# Allegro board fscvmotherboardv2.brd (continued)
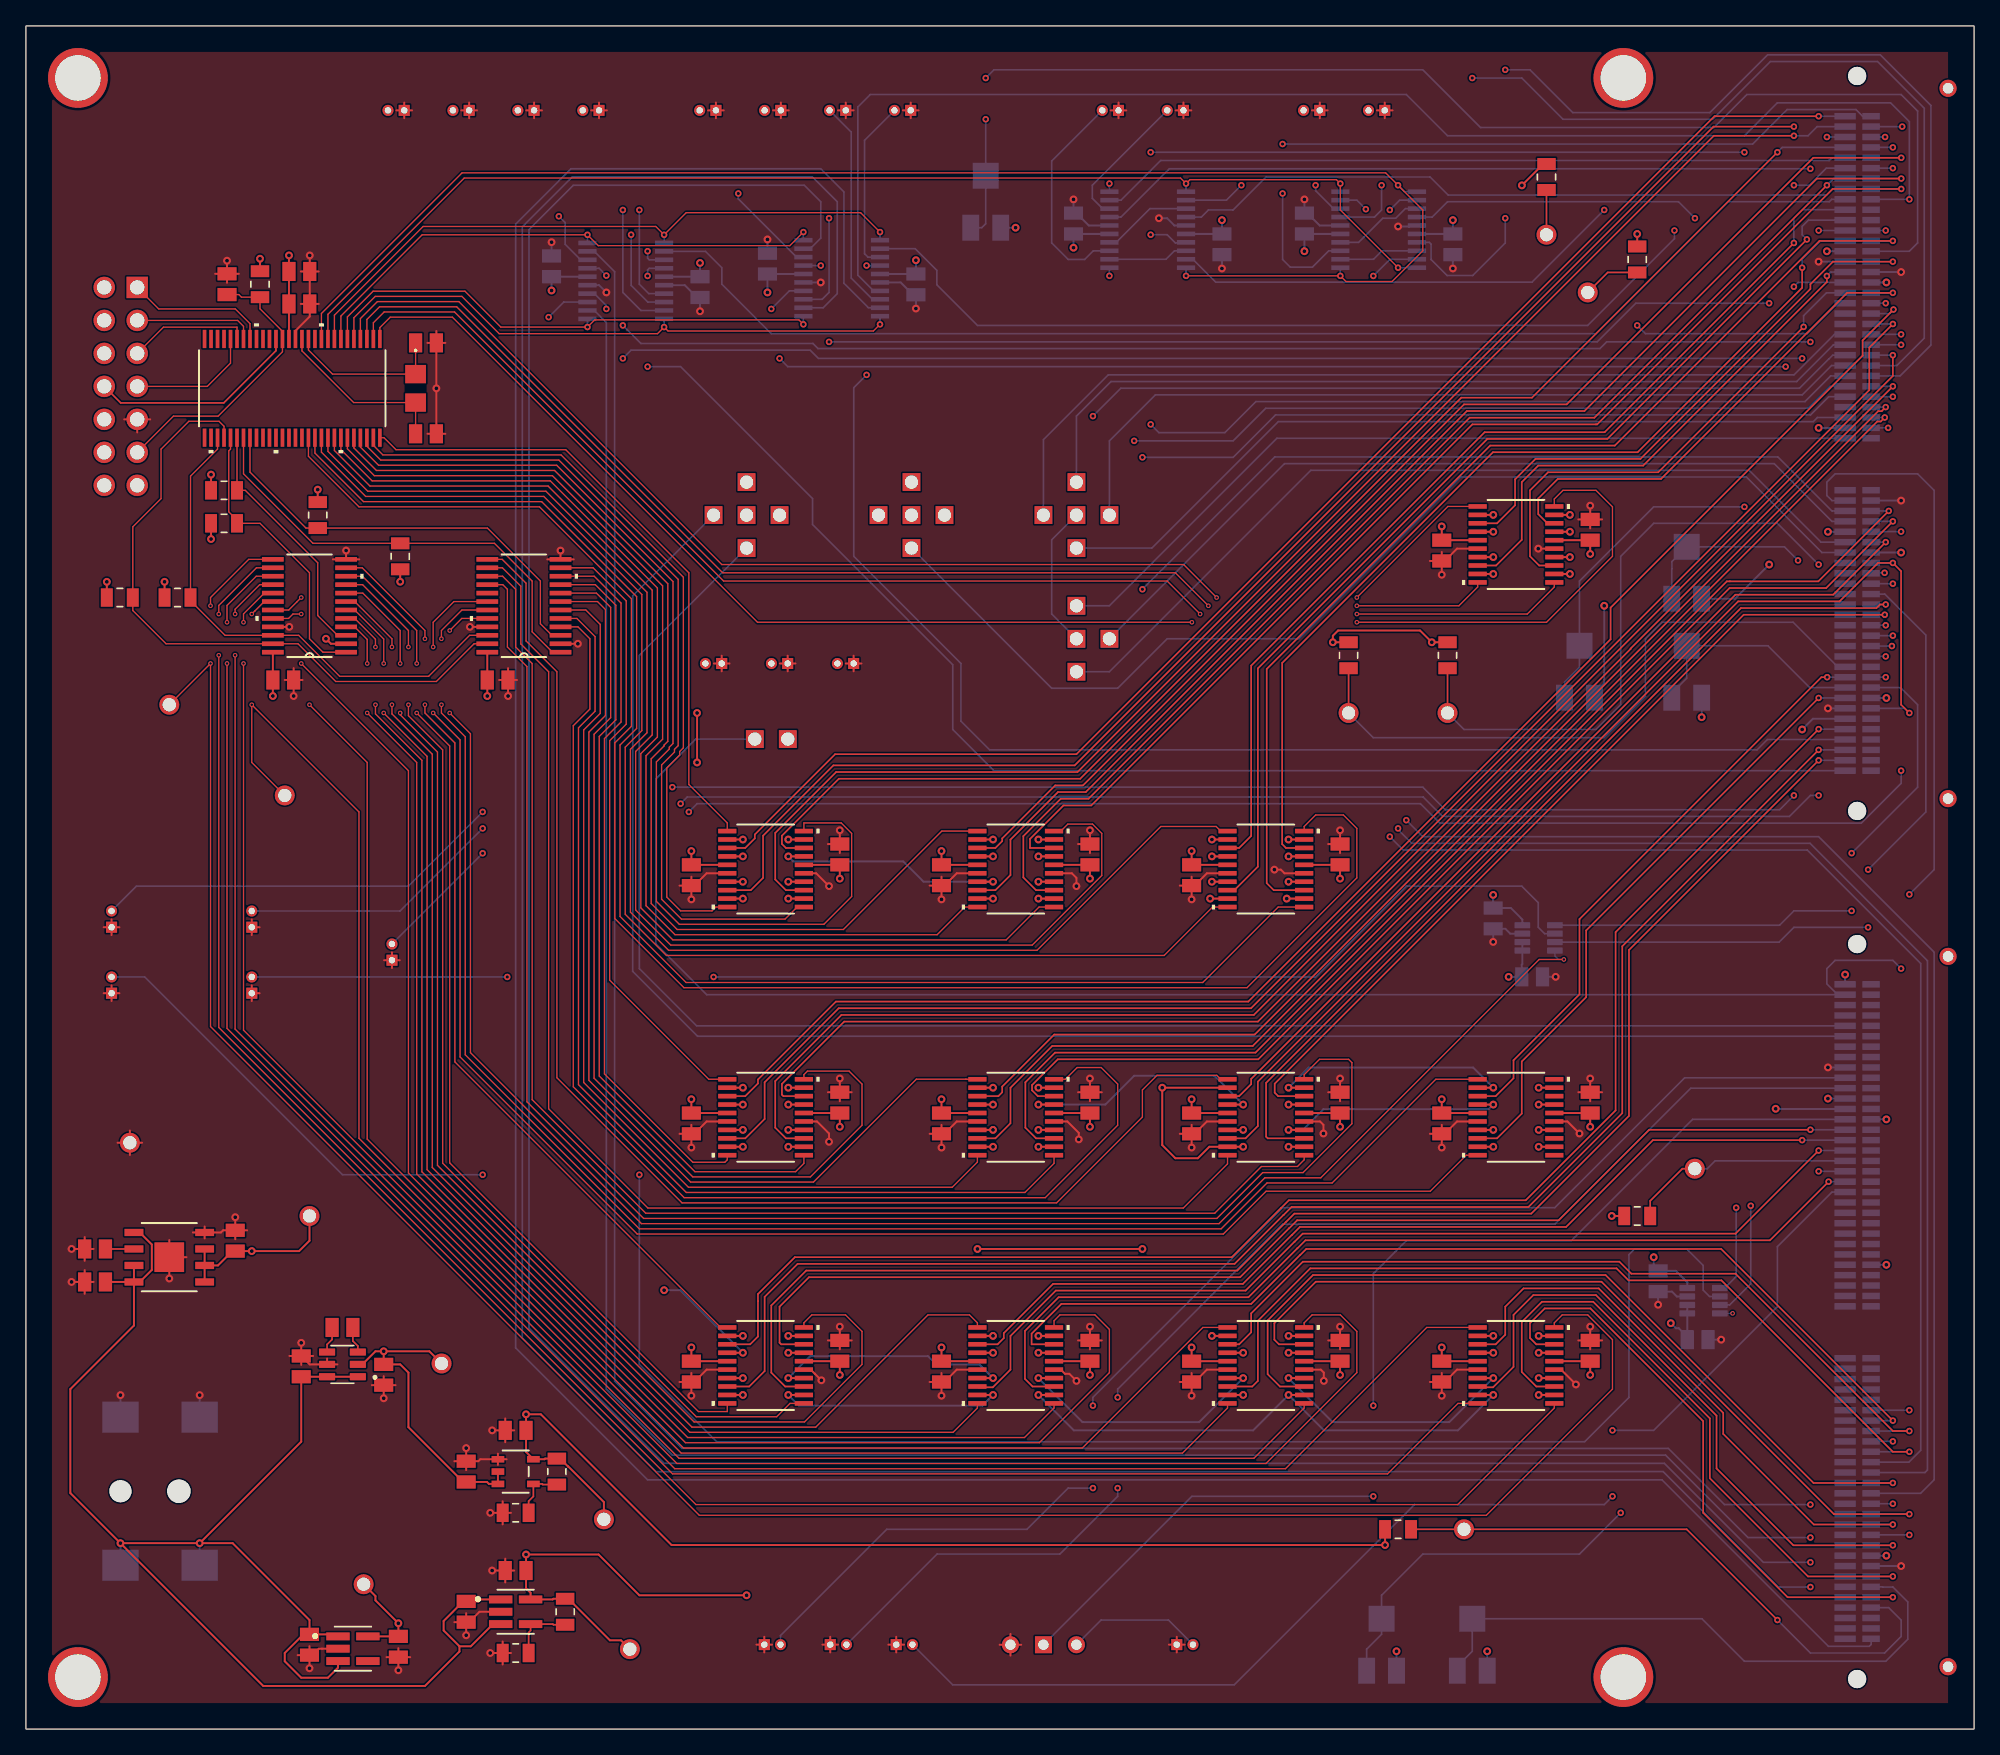
[diagram p0: board, top side]
## Routing (per net, layer and track width the routed paths; a pad name or vN(x,y) marks a point on that pad's centre or on a via; arc(x,y) is an arc through that point)
3.3V: length 202.2
  TOP w0.15: R7.2 v2(14.25,96.6) ; U2.2 U2.1 ; U2.2 U2.3 ; U2.2 14.78,35.7 15.89,36.81 C8.1 v2(17.39,36.81) 21.03,36.81 21.83,37.61 UNK3.3V.TP ; 19.01,82.93 C51.2 v2(19.01,79.55) ; v2(23.1,83.96) 23.48,83.58 U6.2 ; U1.15 C4.2 C3.2 v2(20.25,113.48) ; 18.02,112.27 v2(18.02,113.23) ; R6.2 v2(14.25,91.64) ; R4.2 v2(6.22,88.34) ; R5.2 v2(10.67,88.34) ; 35.52,82.93 C50.2 v2(35.52,79.55) ; R2.2 v2(28.81,88.35) ; R3.2 v2(22.47,95.45)
  POWER w0.15: v2(22.47,95.45) 28.81,89.09 v2(28.81,88.35) ; v2(22.47,95.45) 20.25,97.66 v2(20.25,113.48) 19.89,113.84 18.63,113.84 v2(18.02,113.23) ; v2(22.47,95.45) 15.41,95.45 v2(14.25,96.6) v2(14.25,91.64) 14.25,90.99 11.61,88.34 v2(10.67,88.34) v2(6.22,88.34) 3.42,91.16 3.42,105.87 J2.4 ; v2(28.81,88.35) 35.22,88.35 36.44,87.14 36.44,80.46 v2(35.52,79.55) ; v2(28.81,88.35) 28.81,87.14 25.64,83.96 v2(23.1,83.96) ; v2(28.81,88.35) 20.5,88.35 19.01,86.86 v2(19.01,79.55) 19.01,77.33 13.58,71.9 13.58,45.23 18.02,40.78 18.02,37.44 v2(17.39,36.81)
5V_UNREGULATED: length 129
  TOP w0.15: U7.3 35.96,8.08 34.25,6.37 33.38,6.37 ; v2(7.28,14.31) v2(13.38,14.31) ; v2(7.28,14.31) 3.42,18.17 3.42,26.18 8.31,31.07 U2.8 ; v2(7.28,14.31) 18.27,3.32 30.72,3.32 33.38,5.97 33.38,6.37 ; v2(13.38,14.31) 21.19,22.13 C12.1 U5.6 U5.1 ; v2(13.38,14.31) 15.91,14.31 21.83,8.4 C9.1 ; U2.8 C6.1 ; U2.8 U2.7 ; U2.8 8.76,34.43 9.69,35.36 9.69,37.31 8.76,38.24 U2.5 ; U3.1 23.87,7.29 C9.1 ; C9.1 21.36,7.29 19.92,5.86 19.92,5.22 21.19,3.95 23.25,3.95 24.02,4.73 U3.3 ; 33.38,6.37 32.16,7.59 32.16,8.32 33.67,9.83 C14.1 34.83,9.83 34.98,9.98 U7.1
  BOTTOM w0.15: J3.1A v2(13.38,14.31) ; J3.1B v2(7.28,14.31)
+1.65V: length 648.5
  TOP w0.15: U21.14 v2(97.22,46.14) ; U13.17 v2(77.96,67.2) ; U13.14 v2(77.96,65.25) ; U16.4 v2(55.2,67.2) ; U19.17 v2(118.88,92.2) ; U15.4 v2(55.2,48.09) ; U21.7 v2(93.72,46.14) ; U19.4 v2(112.98,92.2) ; U24.4 v2(74.46,28.98) ; U17.17 v2(58.7,28.98) ; U16.17 v2(58.7,67.2) ; UNK+1.65V.TP 45.82,6.83 44.96,6.83 41.77,10.03 R10.2 40.6,10.03 40.55,9.98 U7.5 38.86,10.49 38.5,10.84 C15.1 v2(38.5,13.44) 44.09,13.44 47.23,10.3 v2(55.48,10.3) ; U13.7 v2(74.46,65.25) ; U14.4 v2(74.46,48.09) ; U16.7 v2(55.2,65.25) ; U11.17 v2(97.22,28.98) ; U21.17 v2(97.22,48.09) ; U9.17 v2(116.48,28.98) ; U12.7 v2(91.32,65.25) ; U24.7 v2(74.46,27.03) ; U15.7 v2(55.2,46.14) ; U16.14 v2(58.7,65.25) ; U15.14 v2(58.7,46.14) ; U17.7 v2(55.2,27.03) ; U9.7 v2(112.98,27.03) ; U21.4 v2(93.72,48.09) ; U12.4 v2(91.32,67.2) ; U17.4 v2(55.2,28.98) ; U11.4 v2(93.72,28.98) ; U24.17 v2(77.96,28.98) ; U9.14 v2(116.48,27.03) ; U19.14 v2(118.88,90.25) ; U14.17 v2(77.96,48.09) ; U14.7 v2(74.46,46.14) ; U19.7 v2(112.98,90.25) ; U11.7 v2(93.72,27.03) ; U14.14 v2(77.96,46.14) ; U10.4 v2(112.98,48.09) ; U15.17 v2(58.7,48.09) ; U17.14 v2(58.7,27.03) ; U9.4 v2(112.98,28.98) ; U13.4 v2(74.46,67.2) ; U10.7 v2(112.98,46.14) ; U12.17 v2(97.22,67.2) ; U24.14 v2(77.96,27.03) ; U12.14 v2(97.22,65.25) ; U11.14 v2(97.22,27.03)
  POWER w0.15: v2(134.73,47.77) 134.73,31.76 128.51,25.54 121.53,25.54 118.98,23 110.09,23 106.28,19.19 106.28,16.65 99.94,10.3 v2(55.48,10.3) ; v2(112.98,48.09) v2(112.98,46.14) 110.73,43.89 110.73,38.88 112,37.61 125.97,37.61 126.48,37.1 126.48,36.25 125.29,35.07 111.36,35.07 110.73,34.43 110.73,31.68 112.73,29.68 112.94,29.68 112.98,29.64 v2(112.98,28.98) v2(116.48,28.98) v2(116.48,27.03) v2(112.98,27.03) ; v2(49.14,33.79) 49.14,44.59 54.22,49.67 54.22,64.91 54.55,65.25 v2(55.2,65.25) v2(58.7,65.25) v2(58.7,67.2) v2(55.2,67.2) 53.58,68.82 53.58,69.99 58.66,75.07 1.65V.TP ; v2(74.46,65.25) v2(77.96,65.25) v2(77.96,67.2) v2(74.46,67.2) 73.44,66.18 70.09,66.18 69.45,66.81 69.45,68.09 72,70.62 87.89,70.62 v2(91.32,67.2) v2(97.22,67.2) 97.22,65.75 v2(97.22,65.25) v2(91.32,65.25) 89.4,65.25 88.5,64.35 88.5,63.01 89.14,62.37 97.39,62.37 98.66,63.64 98.66,64.91 101.2,67.45 105.65,67.45 110.73,72.53 110.73,88.41 107.56,91.58 107.56,92.7 108.97,94.12 111.06,94.12 v2(112.98,92.2) ; v2(74.46,27.03) v2(77.96,27.03) v2(77.96,28.98) v2(74.46,28.98) ; v2(58.7,48.09) 60.89,48.09 61.9,49.1 71.5,49.1 v2(74.46,46.14) v2(77.96,46.14) v2(77.96,48.09) v2(74.46,48.09) ; v2(58.7,48.09) v2(58.7,46.14) ; v2(58.7,48.09) v2(55.2,48.09) v2(55.2,46.14) ; v2(118.88,90.25) v2(118.88,92.2) v2(112.98,92.2) ; v2(38.5,13.44) 38.5,21.57 37.07,23 37.07,25.54 38.56,27.03 v2(55.2,27.03) v2(58.7,27.03) v2(58.7,28.98) v2(55.2,28.98) ; v2(112.98,92.2) v2(112.98,90.25) ; v2(97.22,48.09) 97.22,46.64 v2(97.22,46.14) v2(93.72,46.14) v2(93.72,48.09) ; v2(97.22,28.98) v2(93.72,28.98) v2(93.72,27.03) v2(97.22,27.03)
  BOTTOM w0.15: J1.133 134.74,47.75 v2(134.73,47.77) ; v2(97.22,46.14) 98.31,46.14 99.9,47.73 112.63,47.73 v2(112.98,48.09) ; v2(112.98,27.03) 109.59,23.64 100.61,23.64 v2(97.22,27.03) ; v2(74.46,27.03) 73.41,28.08 70.09,28.08 69.45,28.72 60.39,28.72 v2(58.7,27.03) ; v2(77.96,48.09) 83.11,48.09 85.33,50.31 91.51,50.31 v2(93.72,48.09) ; v2(55.2,28.98) 50.38,33.79 v2(49.14,33.79) ; v2(93.72,27.03) 90.33,23.64 81.35,23.64 v2(77.96,27.03) ; v2(74.46,65.25) 69.12,65.25 67.55,66.81 59.08,66.81 v2(58.7,67.2)
+5V: length 594.6
  TOP w0.15: U3.5 C10.1 v2(28.67,8.15) 26.91,9.91 26.91,10.24 UNK+5V.TP ; U13.16 C26.1 v2(81.92,65.49) ; U11.16 C22.1 v2(101.19,27.27) ; U9.16 C18.1 v2(120.44,27.27) ; U17.16 C34.1 v2(62.66,27.27) ; v2(120.44,46.38) C20.1 U10.16 ; U14.16 C28.1 v2(81.92,46.38) ; v2(62.66,65.49) C32.1 U16.16 ; v2(62.66,46.38) C30.1 U15.16 ; v2(120.44,90.49) C36.1 U19.16 ; v2(101.19,65.49) C24.1 U12.16 ; v2(101.19,46.38) C42.1 U21.16 ; U24.16 C48.1 v2(81.92,27.27)
  POWER w0.15: v2(120.44,90.49) 122.16,92.21 122.16,103.91 v2(109.87,116.2) 108.45,117.62 102.28,117.62 99.74,115.08 93.21,115.08 v2(92.09,116.2) 89.47,113.57 83.02,113.57 81.92,114.68 61.14,114.68 v2(57.09,110.63) 56.12,110.63 52.94,113.81 49.39,113.81 48.37,112.78 42.47,112.78 v2(40.47,110.78) 41.52,109.74 41.52,97.93 45.96,93.49 45.96,78.56 46.91,77.61 ; 114.11,58.48 114.17,58.43 v2(114.17,57.93) 114.17,52.66 v2(120.44,46.38) 122.28,46.38 127.81,40.85 127.81,32.41 v2(126.65,31.26) 125.34,31.26 121.35,27.27 v2(120.44,27.27) 120.44,26.37 118.35,24.27 106.92,24.27 103.92,27.27 v2(101.19,27.27) ; 46.91,77.61 59.93,77.61 61.2,76.34 61.2,66.96 v2(62.66,65.49) ; 46.91,77.61 46.28,76.98 39.61,76.98 23.73,61.1 23.73,19.83 28.67,14.89 v2(28.67,8.15) 43.54,8.15 v2(62.66,27.27) ; v2(81.92,27.27) 84.06,29.4 84.06,44.24 v2(81.92,46.38) 84,48.46 84,63.41 v2(81.92,65.49) ; v2(81.92,27.27) 81.92,25.95 79.62,23.64 66.3,23.64 v2(62.66,27.27) ; v2(81.92,27.27) 83.6,27.27 89.78,21.1 99.3,21.1 101.19,22.98 v2(101.19,27.27) ; v2(62.66,27.27) 65.01,29.61 65.01,44.03 v2(62.66,46.38) ; v2(101.19,65.49) 101.89,65.49 103.11,64.28 103.11,48.3 v2(101.19,46.38) 103.75,43.82 103.75,29.83 v2(101.19,27.27)
  BOTTOM w0.15: U22.16 C44.1 v2(92.09,116.2) ; 127.92,30.21 U26.1 U26.2 ; 127.92,30.21 127.27,30.86 127.04,30.86 v2(126.65,31.26) ; 127.92,30.21 C54.1 ; v2(40.47,110.78) C38.1 U20.16 ; v2(57.09,110.63) C40.1 U18.16 ; U23.16 C46.1 v2(109.87,116.2) ; v2(114.17,57.93) C52.1 115.17,58.86 115.22,58.91 U25.1 U25.2
-1.65V: length 1000.9
  TOP w0.15: U15.19 v2(58.7,49.39) ; U11.2 v2(91.32,30.28) ; U19.19 v2(118.88,93.5) ; v2(115.19,118.88) 116.83,120.52 R18.2 ; U9.9 v2(112.98,25.73) ; U15.9 v2(55.2,44.84) ; U9.19 v2(116.48,30.28) ; U11.19 v2(97.22,30.28) ; U12.19 v2(97.22,68.5) ; R16.2 v2(104.65,14.17) 49.71,14.17 39.64,24.24 v2(38.5,24.24) C16.1 38.5,21.34 U8.5 39.92,20.78 39.97,20.83 R12.2 41.13,20.83 41.73,20.22 41.75,20.22 44.5,17.48 UNK-1.65V.TP ; U15.2 v2(55.2,49.39) ; U11.9 v2(93.72,25.73) ; U17.9 v2(55.2,25.73) ; R17.2 v2(100.63,83.69) 100.63,84.19 101.03,84.59 107.34,84.59 v2(108.25,83.69) R19.2 ; U14.9 v2(74.46,44.84) ; U16.19 v2(58.7,68.5) ; U21.19 v2(97.22,49.39) ; U17.12 v2(58.7,25.73) ; U16.12 v2(58.7,63.95) ; R15.2 v2(124.06,115.13) ; U21.2 v2(87.49,49.39) 87.49,44.97 88.5,43.96 90.23,43.96 91.11,44.84 U21.9 v2(93.72,44.84) ; U15.12 v2(58.7,44.84) ; U16.2 v2(55.2,68.5) ; R14.2 v2(122.11,39.51) ; U13.19 v2(77.96,68.5) ; U24.2 v2(74.46,30.28) ; U19.2 v2(112.98,93.5) ; U12.12 v2(97.08,63.95) ; U24.12 v2(77.96,25.73) ; U21.12 v2(97.22,44.84) ; U14.19 v2(77.96,49.39) ; U12.2 v2(91.32,68.5) ; U19.9 v2(112.98,88.95) ; U12.9 v2(91.18,63.95) ; U24.9 v2(74.46,25.73) ; U17.2 v2(55.2,30.28) ; U13.9 v2(74.46,63.95) ; U14.12 v2(77.96,44.84) ; U16.9 v2(55.2,63.95) ; U17.19 v2(58.7,30.28) ; U11.12 v2(97.22,25.73) ; U10.9 v2(112.98,44.84) ; U10.2 v2(112.98,49.39) ; U14.2 v2(74.46,49.39) ; U19.12 v2(118.88,88.95) ; U9.12 v2(116.48,25.73) ; U13.2 v2(74.46,68.5) ; U9.2 v2(112.98,30.28) ; U24.19 v2(77.96,30.28) ; U13.12 v2(77.96,63.95)
  POWER w0.15: v2(112.52,5.99) 114.04,5.99 121.53,13.48 142.62,13.48 142.75,13.35 v2(143.25,13.35) ; v2(112.52,5.99) v2(105.53,5.99) 105.53,13.29 v2(104.65,14.17) ; v2(112.52,5.99) 120.64,14.11 132.32,14.11 143.25,25.04 v2(143.25,35.75) v2(143.25,46.95) 141.65,48.55 v2(138.75,48.55) 140.07,49.88 v2(140.07,58.1) ; v2(122.11,39.51) 114.54,39.51 112.98,41.07 112.98,44.24 ; v2(58.7,44.84) v2(55.2,44.84) 54.22,45.83 54.22,48.4 v2(55.2,49.39) ; v2(55.2,49.39) v2(58.7,49.39) ; v2(55.2,49.39) 55.2,50.02 ; v2(55.2,68.5) v2(58.7,68.5) 59.93,67.27 59.93,65.18 v2(58.7,63.95) ; 55.2,50.02 56.76,51.58 72.28,51.58 v2(74.46,49.39) v2(77.96,49.39) 79.62,47.73 79.62,46.5 v2(77.96,44.84) v2(74.46,44.84) ; 55.2,50.02 v2(55.2,63.95) v2(58.7,63.95) ; v2(116.48,30.28) 117.08,29.67 117.08,26.33 v2(116.48,25.73) v2(112.98,25.73) ; v2(116.48,30.28) 120.63,34.43 125.97,34.43 127.2,35.67 127.2,39.55 124.7,42.05 115.17,42.05 112.98,44.24 ; v2(116.48,30.28) v2(112.98,30.28) ; v2(143.25,79.4) 140.4,76.55 137.19,76.55 v2(136.76,76.98) 136.76,71.26 136.13,70.62 131.69,70.62 129.03,73.29 v2(129.03,77.92) ; v2(108.25,83.69) 106.92,85.02 106.92,93.3 109.01,95.39 111.09,95.39 v2(112.98,93.5) 114.07,94.59 117.79,94.59 v2(118.88,93.5) 119.53,92.85 119.53,89.6 v2(118.88,88.95) ; v2(118.88,88.95) 119.24,88.59 119.43,88.59 v2(121.53,86.5) 129.03,79 v2(129.03,77.92) ; v2(118.88,88.95) v2(112.98,88.95) ; v2(134.22,89.68) 134.22,90.31 135.5,91.58 138.13,91.58 v2(138.75,92.2) ; v2(134.22,89.68) 134.22,83.12 v2(129.03,77.92) ; v2(134.22,89.68) 132.95,88.41 130.41,88.41 127.24,91.58 127.24,101.11 115.19,113.16 115.19,115.87 ; v2(144.38,90.6) 140.92,90.6 139.32,92.2 v2(138.75,92.2) ; 115.19,115.87 v2(115.19,118.88) 118.36,118.88 122.11,115.13 v2(124.06,115.13) ; 115.19,115.87 114.39,115.08 113.27,115.08 110.09,118.25 101.84,118.25 99.3,115.71 96.12,115.71 94.86,116.98 89.78,116.98 87.23,114.44 85.97,114.44 84.79,115.62 v2(76.2,115.62) ; v2(93.72,44.84) v2(97.22,44.84) 98.66,46.29 98.66,47.94 v2(97.22,49.39) ; v2(97.22,68.5) v2(91.32,68.5) 91.32,73.53 87.87,76.98 73.9,76.98 68.85,71.93 68.85,64.17 70.02,63.01 71.99,63.01 72.94,63.95 v2(74.46,63.95) ; v2(97.22,68.5) 98.03,67.68 98.03,64.91 v2(97.08,63.95) v2(91.18,63.95) ; v2(97.22,68.5) 97.22,80.28 v2(100.63,83.69) ; v2(138.75,92.2) 131.7,92.2 129.78,94.12 129.78,111.27 131.5,112.99 135.04,112.99 136.63,111.4 v2(143.25,111.4) 140.85,113.8 v2(138.67,113.8) ; v2(138.75,92.2) 138.03,92.92 v2(138.03,100.2) ; v2(58.7,63.95) 66.6,63.95 68.82,61.74 72.25,61.74 v2(74.46,63.95) ; v2(74.46,63.95) v2(77.96,63.95) 78.98,64.97 78.98,67.48 78.35,68.11 ; 112.98,44.24 v2(112.98,44.84) 114.54,46.4 114.54,48.4 113.55,49.39 v2(112.98,49.39) ; v2(93.72,25.73) v2(97.22,25.73) 98.66,27.17 98.66,28.83 v2(97.22,30.28) v2(91.32,30.28) ; 78.35,68.11 85.31,68.11 86.6,66.81 86.6,50.28 v2(87.49,49.39) ; 78.35,68.11 v2(77.96,68.5) v2(74.46,68.5) ; v2(74.46,30.28) v2(77.96,30.28) 78.98,29.25 78.98,26.75 v2(77.96,25.73) v2(74.46,25.73) ; v2(38.5,24.24) 39.64,24.24 40.28,23.6 53.08,23.6 v2(55.2,25.73) v2(58.7,25.73) 59.93,26.96 59.93,29.04 v2(58.7,30.28) v2(55.2,30.28)
  BOTTOM w0.15: v2(121.53,86.5) 121.53,80.53 120.77,79.77 VR1.3 ; v2(74.46,25.73) 73.64,24.91 59.52,24.91 v2(58.7,25.73) ; VR3.3 v2(129.03,77.92) ; v2(136.76,76.98) 137.59,77.8 J1.55 ; J1.77 v2(143.25,111.4) ; J1.14 v2(138.67,113.8) ; VR6.3 131.59,87.04 v2(134.22,89.68) ; J1.194 v2(143.25,46.95) ; J1.113 v2(143.25,79.4) ; v2(112.98,25.73) 110.26,23 99.94,23 v2(97.22,25.73) 94.49,23 80.68,23 v2(77.96,25.73) ; J1.132 v2(138.75,48.55) ; v2(97.22,49.39) 98.77,50.94 111.43,50.94 v2(112.98,49.39) ; J1.208 v2(143.25,35.75) ; J1.31 v2(138.03,100.2) ; VR5.3 v2(76.2,115.62) ; J1.37 v2(138.75,92.2) ; J1.121 v2(140.07,58.1) ; J1.232 v2(143.25,13.35) ; 112.52,4.49 v2(112.52,5.99) ; J1.99 v2(144.38,90.6) ; VR4.3 v2(105.53,5.99)
-5V: length 560.7
  TOP w0.15: U10.5 C21.1 v2(109.02,48.5) ; v2(89.75,29.39) C23.1 U11.5 ; UNK-5V.TP 31.06,29.09 v2(27.55,29.09) ; U19.5 C37.1 v2(109.02,92.61) ; v2(27.55,29.09) 26.91,29.09 25.9,28.08 U5.2 ; v2(27.55,29.09) C11.1 28.81,28.08 29.45,27.45 29.45,23.25 33.67,19.03 C17.1 35.5,19.03 35.65,18.88 U8.3 U8.2 ; U12.5 C25.1 v2(89.75,67.61) ; v2(89.75,48.5) C43.1 U21.5 ; v2(70.5,29.39) C49.1 U24.5 ; U15.5 C31.1 v2(51.23,48.5) ; U9.5 C19.1 v2(109.02,29.39) ; v2(51.23,67.61) C33.1 U16.5 ; v2(51.23,29.39) C35.1 U17.5 ; U13.5 C27.1 v2(70.5,67.61) ; v2(70.5,48.5) C29.1 U14.5 ; v2(51.67,78.25) v2(51.67,74.44) ; v2(85.97,36.97) v2(73.27,36.97)
  POWER w0.15: v2(51.67,78.25) 51.67,78.91 50.41,80.18 50.41,111.91 51.4,112.9 v2(51.9,112.9) 51.9,110.41 58.02,104.28 61.84,104.28 63.1,105.55 63.1,111.91 65,113.81 67.83,113.81 v2(68.53,113.11) 69.49,114.08 v2(80.66,114.08) 81.52,113.22 81.52,111.27 82.79,110 94.63,110 v2(98.44,113.81) ; v2(70.5,48.5) 68.28,48.5 66.28,46.5 ; v2(51.67,74.44) 51.67,68.05 v2(51.23,67.61) 53.58,65.27 53.58,50.84 v2(51.23,48.5) 30.18,48.5 27.55,45.86 v2(27.55,29.09) 28.44,29.99 50.64,29.99 v2(51.23,29.39) 51.23,32.09 60.53,41.38 60.53,45.83 62.47,47.77 65.01,47.77 66.28,46.5 ; 66.28,46.5 66.28,43.96 v2(73.27,36.97) 73.27,32.16 v2(70.5,29.39) ; v2(109.02,48.5) 105.65,51.86 105.65,66.18 105.02,66.81 101.42,66.81 99.94,65.33 99.94,58.68 v2(89.75,48.5) ; v2(109.02,48.5) 108.29,48.5 105.65,45.86 105.65,32.75 v2(109.02,29.39) 109.02,34.62 110.73,36.34 v2(125.34,36.34) ; v2(109.02,48.5) 109.02,60.28 v2(112.97,64.24) 111.36,65.84 111.36,90.26 v2(109.02,92.61) ; v2(89.75,48.5) 87.87,50.38 87.87,65.73 v2(89.75,67.61) 88.66,68.71 78.6,68.71 78.21,69.1 71.98,69.1 v2(70.5,67.61) ; v2(89.75,48.5) 88.5,47.25 88.5,39.51 v2(85.97,36.97) 85.97,33.18 v2(89.75,29.39)
  BOTTOM w0.15: U20.5 C39.1 v2(51.9,112.9) ; U18.5 C41.1 v2(68.53,113.11) ; v2(125.34,36.34) 125.34,35.44 125.48,35.29 C55.2 127.04,35.29 127.92,34.4 U26.4 ; v2(80.66,114.08) C45.1 U22.5 ; U23.5 C47.1 v2(98.44,113.81) ; v2(112.97,64.24) C53.2 114.34,63.23 115.22,62.34 U25.4
GND: length 426.7
  TOP w0.15: 88.84,45.84 C43.2 ; C43.2 89.98,45.84 90.93,46.79 U21.6 ; C43.2 89.75,46.53 ; C43.2 v2(89.75,44.78) ; J22.2 89.21,6.5 ; J22.2 88.01,6.5 ; J22.2 88.61,5.9 ; J22.2 88.61,7.1 ; C49.2 70.72,26.73 71.67,27.68 U24.6 ; C49.2 70.5,27.41 ; C49.2 69.58,26.73 ; C49.2 v2(70.5,25.67) ; C24.2 v2(101.19,69.21) ; C24.2 101.19,67.46 ; C24.2 100.27,68.15 ; GND.TP 8,46.09 ; GND.TP 8,44.21 ; GND.TP 8.94,45.15 ; GND.TP 7.06,45.15 ; v2(96.12,66.18) 96.63,66.18 96.91,65.9 U12.15 ; U2.4 15.01,38.24 15.18,38.41 16.11,38.41 ; U2.4 13.76,37.78 ; U2.4 12.85,38.24 ; U2.4 13.76,38.7 ; v2(61.84,64.91) 60.84,65.9 U16.15 ; 36.91,11.29 C15.2 ; C15.2 36.91,13.12 ; C15.2 37.59,12.21 ; C15.2 v2(35.89,12.21) ; 63.73,81.45 J26.2 ; J26.2 63.73,82.66 ; J26.2 64.33,82.06 ; J26.2 63.13,82.06 ; C48.2 82.84,29.93 ; C48.2 81.92,29.24 ; C48.2 81.01,29.93 ; C48.2 v2(81.92,30.99) ; 15.48,111.38 C5.1 ; C5.1 14.57,112.06 ; C5.1 16.39,112.06 ; C5.1 v2(15.48,113.08) ; 67.01,5.9 J24.2 ; J24.2 66.41,6.5 ; J24.2 67.61,6.5 ; J24.2 67.01,7.1 ; C32.2 v2(62.66,69.21) ; C32.2 61.75,68.15 ; C32.2 62.66,67.46 ; C3.1 22.54,112.25 ; C3.1 v2(21.85,113.48) ; C3.1 21.16,112.25 ; C3.1 C4.1 ; R11.1 v2(35.75,5.86) ; R11.1 37.34,5.86 ; R11.1 36.7,4.97 ; R11.1 36.7,6.74 ; 7.56,100.86 J2.9 ; J2.9 9.57,100.86 ; J2.9 8.56,99.85 ; U19.15 v2(116.44,90.9) ; 33.89,20.63 v2(33.89,21.64) ; 33.89,20.63 33.89,19.94 ; 33.89,20.63 34.83,20.63 34.98,20.78 U8.1 ; 33.89,20.63 32.98,20.63 ; 4.52,33.52 C6.2 ; C6.2 4.52,35.34 ; C6.2 v2(3.51,34.43) ; C6.2 5.21,34.43 ; C34.2 v2(62.66,30.99) ; C34.2 61.75,29.93 ; C34.2 63.58,29.93 ; C34.2 62.66,29.24 ; U11.6 90.93,27.68 89.98,26.73 C23.2 ; C19.2 109.02,27.41 ; C19.2 109.24,26.73 110.19,27.68 U9.6 ; C19.2 v2(109.02,25.67) ; C19.2 108.1,26.73 ; v2(81.07,45.41) 81.07,45.91 80.19,46.79 U14.15 ; U5.5 23.19,28.53 ; U5.5 21.84,28.08 C12.2 ; U5.5 23.98,28.08 ; U4.2 v2(42.5,83.58) ; C33.2 51.46,64.95 52.41,65.9 U16.6 ; C33.2 v2(51.23,63.89) ; C33.2 51.23,65.64 ; C33.2 50.32,64.95 ; U13.6 71.67,65.9 70.72,64.95 C27.2 ; U6.12 v2(24.65,90.75) ; U6.12 23.63,90.08 ; U6.12 25.67,90.08 ; 119.53,49.04 C20.2 ; C20.2 120.44,48.35 ; C20.2 121.36,49.04 ; C20.2 v2(120.44,50.1) ; C37.2 v2(109.02,88.89) ; C37.2 109.02,90.64 ; C37.2 109.24,89.95 110.19,90.9 U19.6 ; C37.2 108.1,89.95 ; 74.97,6.49 SW1.3 ; SW1.3 75.81,7.32 ; SW1.3 75.81,5.66 ; SW1.3 76.64,6.49 ; 33.52,124.65 J12.2 ; J12.2 34.73,124.65 ; J12.2 34.12,125.25 ; J12.2 34.12,124.05 ; J11.2 17.39,57.27 ; J11.2 17.39,56.06 ; J11.2 17.99,56.67 ; C12.2 22.11,28.73 ; C12.2 20.28,28.73 ; C12.2 21.19,28.04 ; C12.2 v2(21.19,29.74) ; 69.58,45.84 C29.2 ; C29.2 70.5,46.53 ; C29.2 v2(70.5,44.78) ; C29.2 70.72,45.84 71.67,46.79 U14.6 ; J17.2 53.73,124.65 ; J17.2 52.52,124.65 ; J17.2 53.12,124.05 ; J17.2 53.12,125.25 ; 62.52,124.65 J9.2 ; J9.2 63.12,124.05 ; J9.2 63.12,125.25 ; J9.2 63.73,124.65 ; C42.2 v2(101.19,50.1) ; C42.2 101.19,48.35 ; C42.2 100.27,49.04 ; J4.2 44.12,125.25 ; J4.2 43.52,124.65 ; J4.2 44.12,124.05 ; J4.2 44.73,124.65 ; C21.2 109.02,46.53 ; C21.2 108.1,45.84 ; C21.2 v2(109.02,44.78) ; C21.2 109.24,45.84 110.19,46.79 U10.6 ; C28.2 v2(81.92,50.1) ; C28.2 82.84,49.04 ; C28.2 81.01,49.04 ; C28.2 81.92,48.35 ; U4.21 v2(34.18,84.88) ; v2(119.62,45.86) 118.69,46.79 U10.15 ; 36.91,22.09 C16.2 ; C16.2 36.91,23.91 ; C16.2 v2(35.89,23) ; C16.2 37.59,23 ; 20.61,80.79 v2(20.61,79.55) ; 20.61,80.79 21.3,80.79 ; 20.61,80.79 19.92,80.79 ; 20.61,80.79 20.61,81.7 ; U21.15 99.64,46.79 99.9,46.53 v2(99.9,45.86) ; 21.16,109.75 C4.1 ; C4.1 21.85,108.77 20.75,107.67 U1.14 ; C4.1 22.54,109.75 ; R13.1 v2(35.75,16.65) ; R13.1 36.7,15.76 ; R13.1 37.34,16.65 ; R13.1 36.7,17.54 ; U7.2 34.92,9.03 34.12,8.23 C14.2 ; C14.2 32.98,8.23 ; C14.2 33.89,8.92 ; C14.2 v2(33.89,7.22) ; 120.44,29.24 C18.2 ; C18.2 119.53,29.93 ; C18.2 121.36,29.93 ; C18.2 v2(120.44,30.99) ; J27.2 59.25,82.06 ; J27.2 58.65,81.45 ; J27.2 58.65,82.66 ; J27.2 58.05,82.06 ; 83.52,124.65 J14.2 ; J14.2 84.73,124.65 ; J14.2 84.12,125.25 ; J14.2 84.12,124.05 ; 81.92,67.46 C26.2 ; C26.2 81.01,68.15 ; C26.2 v2(81.92,69.21) ; U8.1 37.01,20.78 ; U8.1 36.34,21.21 ; U8.1 36.34,20.34 ; 69.58,64.95 C27.2 ; C27.2 70.5,65.64 ; C27.2 v2(70.5,63.89) ; C36.2 121.36,93.15 ; C36.2 120.44,92.46 ; C36.2 v2(120.44,94.21) ; C36.2 119.53,93.15 ; U11.15 99.7,27.68 99.94,27.44 v2(99.94,26.81) ; C35.2 51.23,27.41 ; C35.2 51.46,26.73 52.41,27.68 U17.6 ; C35.2 50.32,26.73 ; C35.2 v2(51.23,25.67) ; 39.12,124.05 J8.2 ; J8.2 38.52,124.65 ; J8.2 39.73,124.65 ; J8.2 39.12,125.25 ; J23.2 61.93,7.1 ; J23.2 62.53,6.5 ; J23.2 61.93,5.9 ; J23.2 61.33,6.5 ; C31.2 51.23,46.53 ; C31.2 50.32,45.84 ; C31.2 v2(51.23,44.78) ; C31.2 51.46,45.84 52.41,46.79 U15.6 ; U2.9 12.36,36.34 ; U2.9 v2(11.03,34.69) ; U2.9 11.03,37.66 ; J10.2 105.23,124.65 ; J10.2 104.02,124.65 ; J10.2 104.62,124.05 ; J10.2 104.62,125.25 ; U9.15 118.2,27.68 v2(119.35,26.54) ; 30.91,106.75 C1.2 ; C1.2 v2(31.6,103.25) C2.2 ; C1.2 31.6,107.66 ; C1.2 32.29,106.75 ; 61.75,49.04 C30.2 ; C30.2 v2(62.66,50.1) ; C30.2 63.58,49.04 ; C30.2 62.66,48.35 ; 37.12,80.79 v2(37.12,79.55) ; 37.12,80.79 36.43,80.79 ; 37.12,80.79 37.12,81.7 ; 37.12,80.79 37.81,80.79 ; C2.2 32.29,99.75 ; C2.2 30.91,99.75 ; J13.2 58.73,124.65 ; J13.2 58.12,125.25 ; J13.2 58.12,124.05 ; J13.2 57.52,124.65 ; C7.2 5.21,36.97 ; C7.2 4.52,37.88 ; C7.2 v2(3.51,36.97) ; C7.2 4.52,36.06 ; C23.2 v2(89.75,25.67) ; C23.2 89.75,27.41 ; C23.2 88.84,26.73 ; 27.76,5.54 C10.2 ; C10.2 29.59,5.54 ; C10.2 v2(28.67,4.53) ; C10.2 28.67,6.22 ; v2(80.89,64.91) 80.89,65.54 80.53,65.9 U13.15 ; J15.2 7.19,61.75 ; J15.2 5.99,61.75 ; J15.2 6.59,61.14 ; J15.2 6.59,62.35 ; J18.2 99.62,125.25 ; J18.2 99.62,124.05 ; J18.2 99.02,124.65 ; J18.2 100.23,124.65 ; J20.2 28.18,59.81 ; J20.2 28.78,59.21 ; J20.2 28.18,58.6 ; J20.2 27.58,59.21 ; 53.57,81.45 J25.2 ; J25.2 52.97,82.06 ; J25.2 54.17,82.06 ; J25.2 53.57,82.66 ; U17.15 60.42,27.68 60.74,27.36 v2(61.25,26.86) ; C11.2 27.55,27.17 ; C11.2 26.63,26.48 ; C11.2 28.46,26.48 ; C11.2 v2(27.55,25.47) ; 56.85,5.9 J21.2 ; J21.2 57.45,6.5 ; J21.2 56.25,6.5 ; J21.2 56.85,7.1 ; 68.12,124.05 J5.2 ; J5.2 67.52,124.65 ; J5.2 68.12,125.25 ; J5.2 68.73,124.65 ; J16.2 29.12,125.25 ; J16.2 29.73,124.65 ; J16.2 29.12,124.05 ; J16.2 28.52,124.65 ; C9.2 21.83,6.38 ; C9.2 v2(21.83,4.68) ; C9.2 20.92,5.69 ; C9.2 22.06,5.69 22.55,6.19 22.79,6.19 22.8,6.19 U3.2 ; 88.52,124.65 J6.2 ; J6.2 89.73,124.65 ; J6.2 89.12,125.25 ; J6.2 89.12,124.05 ; U4.12 42.18,90.08 ; U4.12 40.14,90.08 ; U4.12 v2(41.16,90.75) ; 6.59,56.06 J19.2 ; J19.2 7.19,56.67 ; J19.2 5.99,56.67 ; J19.2 6.59,57.27 ; U6.21 v2(20.28,84.88) ; U15.15 60.91,46.79 61.84,45.86 v2(61.84,45.23) ; 101.19,29.24 C22.2 ; C22.2 100.27,29.93 ; C22.2 v2(101.19,30.99) ; C25.2 89.98,64.95 90.93,65.9 U12.6 ; C25.2 v2(89.75,63.89) ; C25.2 89.75,65.64 ; C25.2 88.84,64.95 ; 16.11,38.41 17.03,38.41 ; 16.11,38.41 16.11,37.72 ; 16.11,38.41 v2(16.11,39.42) ; J7.2 17.39,62.35 ; J7.2 17.99,61.75 ; J7.2 17.39,61.14 ; U24.15 79.68,27.68 80,27.36 80.34,27.36 v2(80.89,26.81)
  GND w0.15: J22.2 89.21,6.5 ; J22.2 88.01,6.5 ; J22.2 88.61,5.9 ; J22.2 88.61,7.1 ; 44.12,124.05 J4.2 ; J4.2 43.52,124.65 ; J4.2 44.12,125.25 ; J4.2 44.73,124.65 ; 89.12,124.05 J6.2 ; J6.2 89.12,125.25 ; J6.2 89.73,124.65 ; J6.2 88.52,124.65 ; 61.93,5.9 J23.2 ; J23.2 61.93,7.1 ; J23.2 62.53,6.5 ; J23.2 61.33,6.5 ; 56.25,6.5 J21.2 ; J21.2 56.85,7.1 ; J21.2 57.45,6.5 ; J21.2 56.85,5.9 ; J2.9 8.56,101.86 ; J2.9 9.57,100.86 ; J2.9 7.56,100.86 ; J2.9 8.56,99.85 ; 57.52,124.65 J13.2 ; J13.2 58.73,124.65 ; J13.2 58.12,124.05 ; J13.2 58.12,125.25 ; 5.99,61.75 J15.2 ; J15.2 6.59,62.35 ; J15.2 6.59,61.14 ; J15.2 7.19,61.75 ; 29.12,124.05 J16.2 ; J16.2 28.52,124.65 ; J16.2 29.73,124.65 ; J16.2 29.12,125.25 ; 33.52,124.65 J12.2 ; J12.2 34.12,125.25 ; J12.2 34.12,124.05 ; J12.2 34.73,124.65 ; J7.2 17.99,61.75 ; J7.2 16.78,61.75 ; J7.2 17.39,62.35 ; J7.2 17.39,61.14 ; 99.62,124.05 J18.2 ; J18.2 99.62,125.25 ; J18.2 100.23,124.65 ; J18.2 99.02,124.65 ; J8.2 39.12,125.25 ; J8.2 38.52,124.65 ; J8.2 39.12,124.05 ; J8.2 39.73,124.65 ; J17.2 53.12,125.25 ; J17.2 53.73,124.65 ; J17.2 52.52,124.65 ; J17.2 53.12,124.05 ; J9.2 63.12,125.25 ; J9.2 62.52,124.65 ; J9.2 63.73,124.65 ; J9.2 63.12,124.05 ; J19.2 7.19,56.67 ; J19.2 5.99,56.67 ; J19.2 6.59,57.27 ; J19.2 6.59,56.06 ; 52.97,82.06 J25.2 ; J25.2 53.57,81.45 ; J25.2 53.57,82.66 ; J25.2 54.17,82.06 ; GND.TP 8.94,45.15 ; GND.TP 8,46.09 ; GND.TP 8,44.21 ; GND.TP 7.06,45.15 ; SW1.3 75.81,7.32 ; SW1.3 74.97,6.49 ; SW1.3 76.64,6.49 ; SW1.3 75.81,5.66 ; 67.01,5.9 J24.2 ; J24.2 67.01,7.1 ; J24.2 67.61,6.5 ; J24.2 66.41,6.5 ; J27.2 59.25,82.06 ; J27.2 58.65,82.66 ; J27.2 58.05,82.06 ; J27.2 58.65,81.45 ; 63.73,81.45 J26.2 ; J26.2 63.13,82.06 ; J26.2 64.33,82.06 ; J26.2 63.73,82.66 ; J10.2 104.62,125.25 ; J10.2 104.62,124.05 ; J10.2 104.02,124.65 ; J10.2 105.23,124.65 ; 28.18,58.6 J20.2 ; J20.2 28.18,59.81 ; J20.2 27.58,59.21 ; J20.2 28.78,59.21 ; J11.2 17.39,57.27 ; J11.2 16.78,56.67 ; J11.2 17.99,56.67 ; J11.2 17.39,56.06 ; 84.12,124.05 J14.2 ; J14.2 84.73,124.65 ; J14.2 84.12,125.25 ; J14.2 83.52,124.65 ; J5.2 68.73,124.65 ; J5.2 68.12,124.05 ; J5.2 68.12,125.25 ; J5.2 67.52,124.65
  BOTTOM w0.15: v2(98.44,117.8) C47.2 98.66,116.74 99.61,115.78 U23.6 ; v2(87.23,116.34) 87.87,116.34 88.43,115.78 U22.15 ; U25.3 114.29,61.25 113.91,61.63 112.97,61.63 v2(112.97,60.62) ; C52.2 v2(117.78,57.93) ; U26.3 127.11,33.31 126.74,33.69 C55.1 v2(125.67,32.68) ; C38.2 v2(40.47,114.5) ; U18.15 v2(61.2,111.4) ; J3.3 v2(13.38,25.71) ; U23.15 106.58,115.78 106.51,115.71 v2(105.65,115.71) ; U20.6 50.73,111.19 51.67,110.24 C39.2 v2(51.9,109.18) ; U20.15 44.13,111.19 v2(44.69,110.63) ; J3.2 v2(7.28,25.71) ; U18.6 67.35,111.4 68.3,110.45 C41.2 v2(68.53,109.39) ; 92.09,113.53 v2(92.09,112.48) ; 141.65,112.2 J1.76 v2(144.38,112.2) ; v2(80.66,117.8) C45.2 80.89,116.74 81.84,115.78 U22.6 ; 109.87,113.53 v2(109.87,112.48) ; J1.94 v2(144.38,94.6) ; J1.129 v2(138.75,50.95) ; J1.54 v2(138.75,78.6) ; C54.2 v2(130.53,29.99) ; J1.15 v2(138.03,113) ; C40.2 v2(57.09,114.71) ; J1.233 v2(144.38,12.55)
